# Altium PCB MIN_MOW_Moway_V3 PCB.PcbDoc (part 1 of 2) (continued)
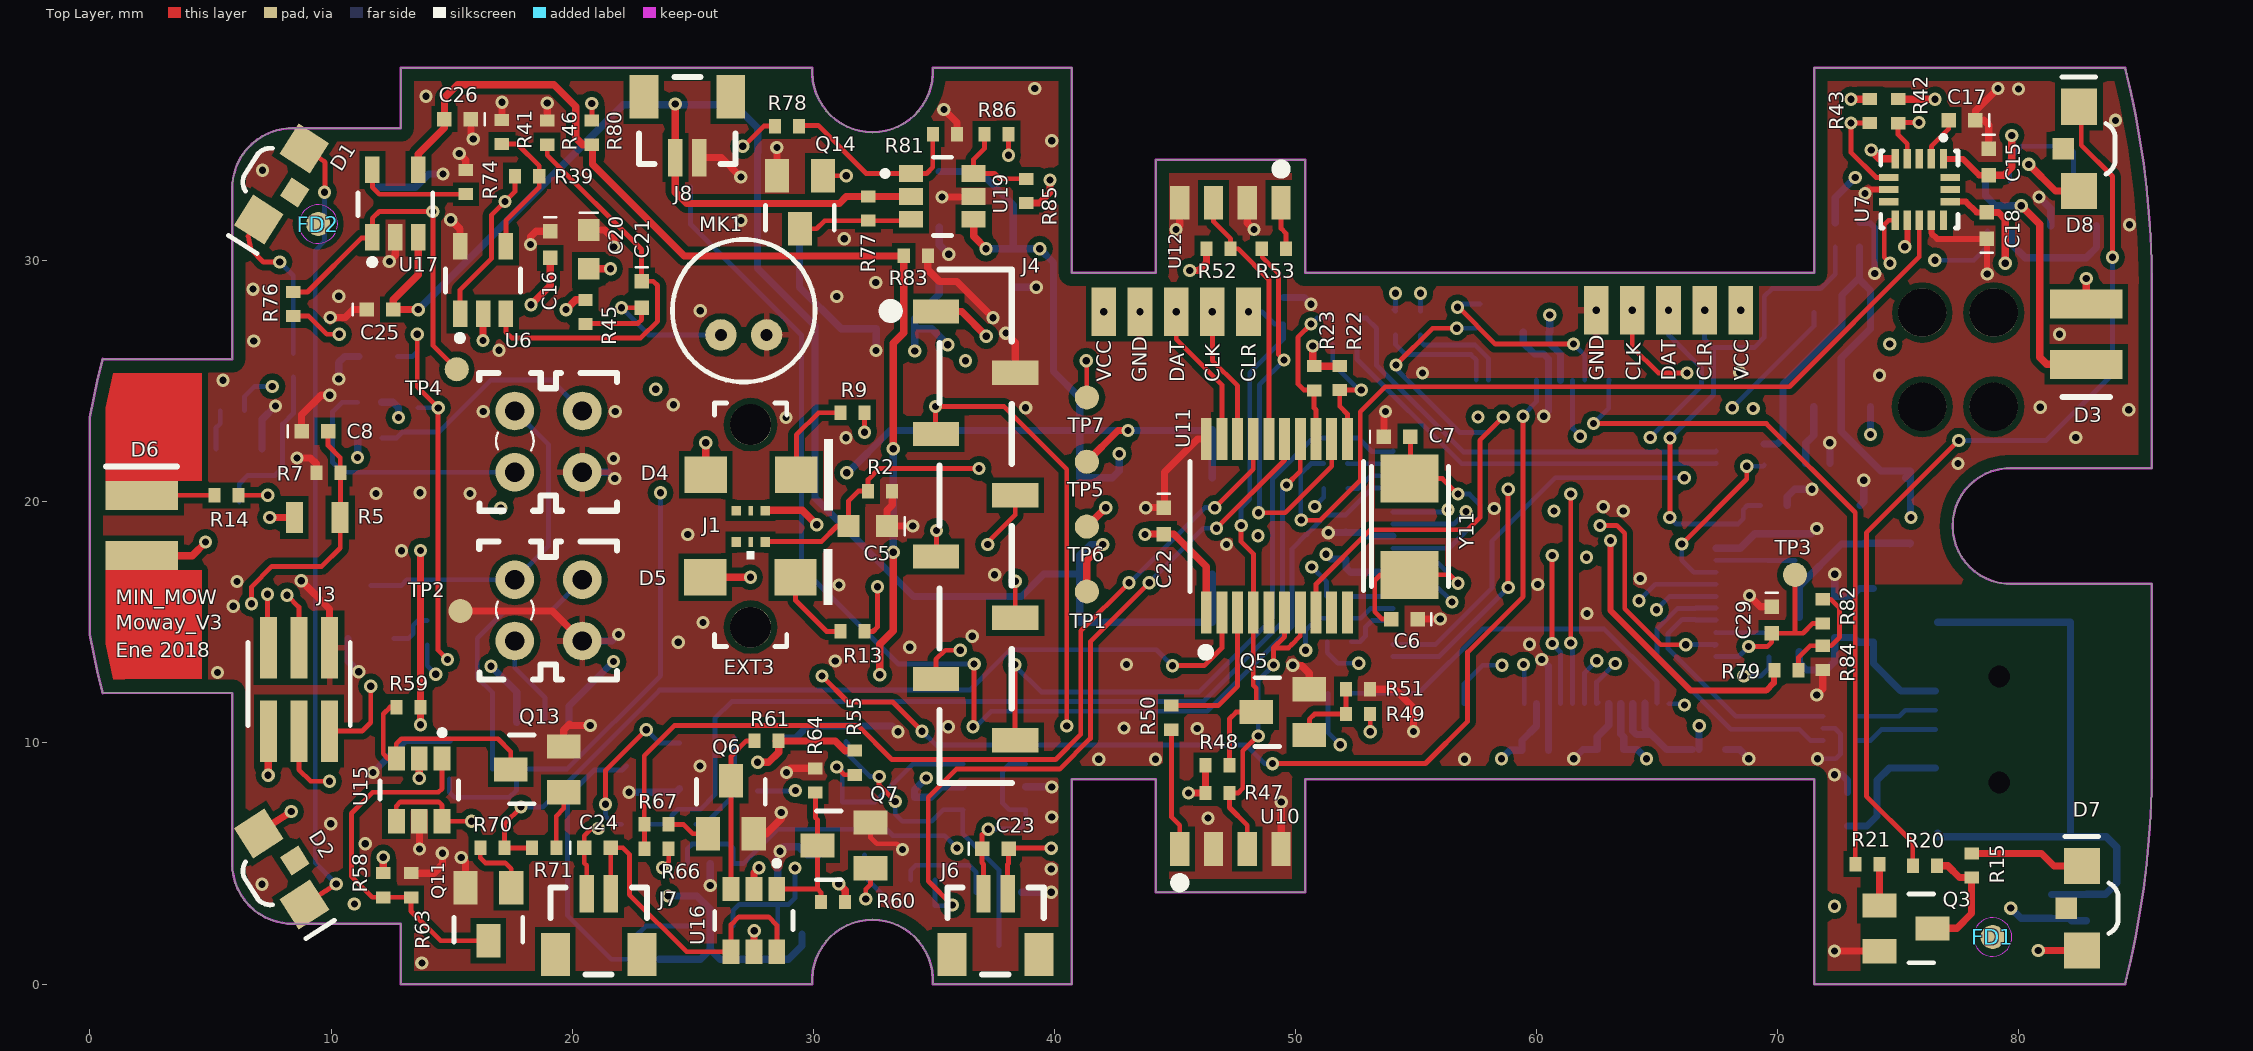
[diagram p0: Top Layer view]
## Components (designator, comment, footprint, x,y, rotation, side; value= is the part's Value field where it differs from the comment) (continued)
Q8 "BC81740MTF" SOT23_FAIRCHILD 36.755,3.805 r0 bottom value=45V/0.5A
Q9 "BC81740MTF" SOT23_FAIRCHILD 32.155,5.355 r180 bottom value=45V/0.5A
Q10 "BC81740MTF" SOT23_FAIRCHILD 24.455,10.005 r270 bottom value=45V/0.5A
Q11 "BC81740MTF" SOT23_FAIRCHILD 17.475,4 r180 top value=45V/0.5A
Q12 "BC81740MTF" SOT23_FAIRCHILD 26.731,10.206 r0 bottom value=45V/0.5A
Q13 "BC81740MTF" SOT23_FAIRCHILD 19.655,7.955 r90 top value=45V/0.5A
Q14 "BC81740MTF" SOT23_FAIRCHILD 30.399,33.531 r180 top value=45V/0.5A
R1 "R10T10402" R0402 8.43,25.18 r90 bottom value=10Ohm
R2 "R33KT10402" R0402 33.277,20.447 r180 top value=33kOhm
R3 "R560T10402" R0402 6.405,23.777 r180 bottom value=560Ohm
R4 "DNP" R0402 79.63,33.305 r180 bottom value=10Ohm
R5 "NB12K00103KBB" R0805 10.38,19.355 r180 top value=10kOhm
R6 "DNP" R0402 78.705,31.23 r0 bottom value=100Ohm
R7 "R10KT10402" R0402 9.39,21.203 r0 top value=10kOhm
R8 "R15KT10402" R0402 72.393,30.575 r90 bottom value=15kOhm
R9 "R100T10402" R0402 32.125,23.7 r180 top value=100Ohm
R10 "R180T10402" R0402 51.176,22.659 r0 bottom value=180Ohm
R11 "R180T10402" R0402 51.166,21.593 r0 bottom value=180Ohm
R12 "R180T10402" R0402 51.176,20.551 r0 bottom value=180Ohm
R13 "R10T10402" R0402 32.125,14.625 r180 top value=10Ohm
R14 "R10T10402" R0402 6.168,20.275 r180 top value=10Ohm
R15 "R100T10402" R0402 78.048,4.417 r90 top value=100Ohm
R16 "R180T10402" R0402 51.32,14.202 r0 bottom value=180Ohm
R17 "R180T10402" R0402 51.295,15.177 r0 bottom value=180Ohm
R18 "R180T10402" R0402 51.295,16.102 r0 bottom value=180Ohm
R19 "R150T10402" R0402 12.105,24.13 r180 bottom value=150Ohm
R20 "R100T10402" R0402 76.61,4.909 r180 top value=100Ohm
R21 "R560T10402" R0402 73.225,4.975 r0 top value=560Ohm
R22 "R4K7T10402" R0402 51.841,24.638 r90 top value=4.7kOhm
R23 "R4K7T10402" R0402 50.775,24.629 r90 top value=4.7kOhm
R24 "R180T10402" R0402 55.189,27.917 r270 bottom value=180Ohm
R25 "R180T10402" R0402 54.148,27.917 r270 bottom value=180Ohm
R26 "R12KT10402" R0402 12.105,22.655 r180 bottom value=12kOhm
R27 "R1KT10402" R0402 13.605,23.905 r270 bottom value=1kOhm
R28 "R180T10402" R0402 51.55,26.525 r0 bottom value=180Ohm
R29 "R180T10402" R0402 51.55,27.625 r0 bottom value=180Ohm
R30 "R180T10402" R0402 52.359,12.065 r180 bottom value=180Ohm
R31 "R150T10402" R0402 19.875,10.85 r180 bottom value=150Ohm
R32 "R180T10402" R0402 57.475,27.2 r90 bottom value=180Ohm
R33 "R180T10402" R0402 69.65,13.575 r90 bottom value=180Ohm
R34 "R12KT10402" R0402 16.7,10.85 r0 bottom value=12kOhm
R35 "R1KT10402" R0402 17.7,8.925 r180 bottom value=1kOhm
R36 "R100KT10402" R0402 69.45,22.4 r270 bottom value=100kOhm
R37 "R100KT10402" R0402 73.393,31.575 r270 bottom value=100kOhm
R38 "R560T10402" R0402 13.99,15.074 r270 bottom value=560Ohm
R39 "R220KT10402" R0402 18.638,33.509 r180 top value=220kOhm
R40 "CG0603MLC05LE" V0603 72.375,14.375 r90 bottom
R41 "R1KT10402" R0402 17.088,35.839 r270 top value=1kOhm
R42 "R4K7T10402" R0402 75.001,35.706 r90 top value=4.7kOhm
R43 "R4K7T10402" R0402 73.831,35.712 r90 top value=4.7kOhm
R44 "R100KT10402" R0402 81.376,2.72 r90 bottom value=100kOhm
R45 "R4K7T10402" R0402 20.555,27.38 r90 top value=4.7kOhm
R46 "R10KT10402" R0402 18.967,35.814 r270 top value=10kOhm
R47 "R15KT10402" R0402 47.268,7.925 r180 top value=15kOhm
R48 "R10KT10402" R0402 47.268,9.075 r180 top value=10kOhm
R49 "R10KT10402" R0402 53.095,11.202 r180 top value=10kOhm
R50 "R560T10402" R0402 44.843,10.55 r90 top value=560Ohm
R51 "R10KT10402" R0402 53.095,12.227 r180 top value=10kOhm
R52 "R15KT10402" R0402 47.314,30.505 r180 top value=15kOhm
R53 "R560T10402" R0402 49.605,30.505 r180 top value=560Ohm
R54 "R1KT10402" R0402 34.2,6.75 r90 bottom value=1kOhm
R55 "R1KT10402" R0402 31.73,8.68 r90 top value=1kOhm
R56 "R1KT10402" R0402 28.53,2.08 r0 bottom value=1kOhm
R57 "R1KT10402" R0402 22.605,1.03 r0 bottom value=1kOhm
R58 "R1KT10402" R0402 12.168,3.6 r90 top value=1kOhm
R59 "R1KT10402" R0402 12.71,11.488 r0 top value=1kOhm
R60 "R1KT10402" R0402 30.321,3.404 r0 top value=1kOhm
R61 "R1KT10402" R0402 27.566,10.086 r0 top value=1kOhm
R62 "R1MT10402" R0402 28.53,4.305 r270 bottom value=1MOhm
R63 "R1MT10402" R0402 13.318,4.6 r270 top value=1MOhm
R64 "R1MT10402" R0402 30.093,8.95 r270 top value=1MOhm
R65 "R1MT10402" R0402 30.355,10.055 r0 bottom value=1MOhm
R66 "R1KT10402" R0402 23.005,5.605 r0 top value=1kOhm
R67 "R1KT10402" R0402 22.993,6.625 r0 top value=1kOhm
R68 "R1KT10402" R0402 24.13,6.63 r0 bottom value=1kOhm
R69 "R1KT10402" R0402 23.055,6.63 r180 bottom value=1kOhm
R70 "R1KT10402" R0402 17.193,5.65 r180 top value=1kOhm
R71 "R1KT10402" R0402 18.343,5.65 r0 top value=1kOhm
R72 "R1KT10402" R0402 35.045,4.318 r180 bottom value=1kOhm
R73 "R1KT10402" R0402 35.045,3.251 r180 bottom value=1kOhm
R74 "R3K3T10402" R0402 15.589,33.766 r270 top value=3.3kOhm
R75 "R150T10402" R0402 72.171,21.59 r180 bottom value=150Ohm
R76 "R470T10402" R0402 8.43,28.705 r270 top value=470Ohm
R77 "R10KT10402" R0402 32.277,31.664 r90 top value=10kOhm
R78 "R10KT10402" R0402 29.417,35.588 r180 top value=10kOhm
R79 "R10KT10402" R0402 70.87,13.007 r180 top value=10kOhm
R80 "R1KT10402" R0402 20.821,35.814 r270 top value=1kOhm
R81 "R10KT10402" R0402 35.961,35.258 r180 top value=10kOhm
R82 "R1KT10402" R0402 71.873,15.963 r270 top value=1kOhm
R83 "R10KT10402" R0402 34.755,30.205 r180 top value=10kOhm
R84 "R10KT10402" R0402 71.877,13.033 r90 top value=10kOhm
R85 "R100KT10402" R0402 38.83,33.401 r270 top value=100kOhm
R86 "R100T10402" R0402 37.1,35.25 r0 top value=100Ohm
SW1 "MMS228T" MMS228T 41.055,23.005 r0 bottom locked
TP1 "TEST_POINT_1MM" TEST_POINT_1MM#1 41.351,19.281 r90 top
TP2 "TEST_POINT_1MM" TEST_POINT_1MM#2 15.368,15.475 r90 top
TP3 "TEST_POINT_1MM" TEST_POINT_1MM#2 70.727,16.975 r90 top
TP4 "TEST_POINT_1MM" TEST_POINT_1MM#2 15.215,25.502 r90 top
TP5 "TEST_POINT_1MM" TEST_POINT_1MM#1 41.351,24.666 r90 top
TP6 "TEST_POINT_1MM" TEST_POINT_1MM#1 41.351,21.974 r90 top
TP7 "TEST_POINT_1MM" TEST_POINT_1MM#2 41.351,24.333 r90 top
U1 "PIC18F87J50TIPT" TQFP80_MCP 67.446,23.081 r270 bottom locked
U2 "CNY70" CNY70 17.624,23.771 r0 bottom locked
U3 "CNY70" CNY70 17.624,16.771 r0 bottom locked
U5 "CMT1102SMT" CMT1102SMT 24.905,33.055 r180 bottom locked
U6 "MCP6001RTEOT" SOT23-5_MCP 15.355,27.805 r0 top
U7 "MMA8452Q" QFN16-5X3_NXP 76.88,34.23 r180 top locked
U8 "8969B05C00DBT" 8969B05C00DBT_OUPIIN 76.545,12.157 r0 bottom locked
U9 "RCLAMP0502A" SOT666_SEMTECH 71.882,10.109 r90 bottom value=5V
U10 "KRC011" KRC011 45.205,5.605 r0 top locked
U11 "PIC16F687TISS" SSOP20_MCP 46.305,15.413 r0 top locked
U12 "KRC011" KRC011 49.405,32.405 r180 top locked
U13 "FDC6321CD84Z" SUPERSOT6_ONSEMI 36.215,7.231 r90 bottom value="N:25V/0.68A; P:25V/0.46A"
U14 "FDC6321CD84Z" SUPERSOT6_ONSEMI 26.68,2.405 r180 bottom value="N:25V/0.68A; P:25V/0.46A"
U15 "FDC6321CD84Z" SUPERSOT6_ONSEMI 14.609,9.354 r180 top value="N:25V/0.68A; P:25V/0.46A"
U16 "FDC6321CD84Z" SUPERSOT6_ONSEMI 28.49,3.939 r180 top value="N:25V/0.68A; P:25V/0.46A"
U17 "MCP73831T2DCIOT" SOT23-5_MCP 11.719,30.969 r0 top value=4.2V/0.5A
U18 "TC126233VDB" SOT223_MCP 35.23,33.705 r270 bottom value=3.3V/0.5A
U19 "FDC6321CD84Z" SUPERSOT6_ONSEMI 34.055,33.621 r270 top value="N:25V/0.68A; P:25V/0.46A"
Y11 "NX5032GA12MHZLNCD1" NX5032GA_NDK 54.755,20.98 r270 top value=12MHz

## Footprints (in the part's own frame and the unit in brackets; to place one, negate y for a bottom-side part, rotate by r counter-clockwise, add the part's x,y. Pads: shape width x height; smd on the part's side, far side on the other; paste and mask are expansions set on the pad)
8969B05C00DBT_OUPIIN [mm]
  rect 2.3x0.5 smd: 1(0,0) 2(0,0.8) 3(0,1.6) 4(0,2.4) 5(0,3.2)
  rect 2.5x2 smd: 6(0.1,6.05) 7(5.6,6.05) 8(5.6,-2.85) 9(0.1,-2.85)
  round 0.6 hole 0.9 unplated: MH1(2.65,-0.6) MH1(2.65,3.8)
  silkscreen extent 1.77,-3.8 8,7.02, body extent -0.65,-3.35 8.55,6.55, height 4.1
20431X08TDATR_OUPIIN [mm]
  rect 1x1.91 smd paste+0 mask+0.2: 1(0,0) 2(2.54,3.29) 3(5.08,0) 4(7.62,3.29) 5(10.16,0) 6(12.7,3.29) 7(15.24,0) 8(17.78,3.29)
  silkscreen extent -1.75,-2.12 19.55,3.15, body extent -1.52,-0.38 19.3,3.67, height 7.5
22152X03_OUPIIN [mm]
  rect 0.7x2.55 smd mask+0.2: 1(0,0) 2(0,3.45) 3(1.27,0) 4(1.27,3.45) 5(2.54,0) 6(2.54,3.45)
  silkscreen extent -0.85,0.23 3.4,3.68, body extent -0.63,-1.02 3.18,4.47, height 4.5
5151049F [mm]
  round 2 hole 2 unplated: 0(0,0) 0(0,2.97)
  silkscreen extent -1.78,-8.64 1.78,8.13, body extent -1.78,-8.63 1.78,8.13, height 5.27
APDS9005020 [mm]
  rect 0.4x0.4 smd: 1(0,0) 3(1.2,0) 4(1.2,1.3) 6(0,1.3)
  rect 0.2x0.4 smd: 2(0.6,0) 5(0.6,1.3)
  silkscreen extent 0.45,1.67 0.77,2.02, body extent -0.15,-0.15 1.35,1.45, height 0.54
BM02BSRSSTB_JST [mm]
  rect 1.2x1.8 smd: 0(-1.3,2.525) 0(2.3,2.525)
  rect 0.6x1.55 smd: 1(0,0) 2(1,0)
  silkscreen extent -1.5,-0.26 2.5,3.35, body extent -1.5,-0.26 2.5,3.34, height 6.25
C0402 [mm]
  rect 0.6x0.6 smd: 1(0,0) 2(1.1,0)
  silkscreen extent -0.58,-0.25 -0.58,0.25, body extent -0.18,-0.25 1.28,0.25, height 0.51
C0603 [mm]
  rect 0.9x0.9 smd: 1(0,0) 2(1.6,0)
  silkscreen extent -0.72,-0.38 -0.72,0.38, body extent -0.43,-0.4 2.03,0.4, height 0.8
CMC5042PFAC [mm]
  round 1.3 hole 0.5: 1(0,0) 2(0,1.9)
  silkscreen extent -1.96,-2.01 3.96,3.91, body extent -2,-2.05 4,3.95, height 5.2
CMT1102SMT [mm]
  rect 3x3 smd: 1(0,0) 2(13,0)
  silkscreen extent -1,-4.5 14,4.5, body extent -1,-4.5 14,4.5, height 1.7
CNY70 [mil]
  round 63 hole 31.5: 1(0,0) 2(0,100) 3(110.24,100) 4(110.24,0)
  silkscreen extent -102,-108 409,208, body extent -83,-88 193,188, height 236
F1206 [mm]
  rect 1x1.7 smd: 1(-1.5,0) 2(1.5,0)
  silkscreen extent -0.5,-0.8 0.5,0.8, body extent -1.6,-0.83 1.6,0.83, height 0.56
FIDUCIAL [mm]
  round 1 smd mask+0.3: 0(0,0)
  Top Layer keep-out circle w0.02: c0,0 r0.8
KPA3010 [mm]
  rect 1.5x1.5 smd: 1(0,0) 2(3.5,0)
  rect 0.9x0.9 smd: 3(1.75,-0.65)
  silkscreen extent -1.23,-0.7 2.8,1.5, body extent 0.25,-0.5 3.25,1.5, height 1
KPA3010F3C_MOWAY [mm]
  rect 1.2x3 smd mask+0.2: 1(0,0) 2(2.5,0)
  silkscreen extent -1.35,-0.97 -1.35,0.98
KRC011 [mm]
  rect 0.8x1.4 smd: 1(0,0) 2(1.4,0) 3(2.8,0) 4(4.2,0)
  silkscreen extent -0.2,-1.6 0.2,-1.2, body extent -0.95,-1.78 5.15,0.12, height 2.75
L0603 [mm]
  rect 0.6x0.8 smd: 1(0,0) 2(1.4,0)
  body extent -0.1,-0.4 1.5,0.4, height 1
LED0805 [mm]
  rect 1.25x1.1 smd: 1(0,0) 2(2.35,0)
  silkscreen extent -1.34,-1.18 3.63,1.14, body extent 0.21,-0.62 2.23,0.63, height 1.1
LED1206 [mm]
  rect 1.75x1.5 smd: 1(0,0) 2(3.75,0)
  silkscreen extent 4.9,-1.15 5.28,1.17, body extent 0.27,-0.8 3.48,0.8, height 0.72
LED1206G [mm]
  rect 1.75x1.5 smd: 1(0,0) 2(3.75,0)
  silkscreen extent 4.9,-1.48 5.28,1.48, body extent 0.27,-0.78 3.48,0.82, height 1.11
LWA6SG [mm]
  rect 1.2x3 smd: 1(0,0) 2(2.5,0)
  Top Layer region: -3.65,-2.5 -0.6,-2.5 -0.6,1.5 -3.65,1.5
  Top Layer region: 3.1,-2.5 6.15,-2.5 6.15,1.5 3.1,1.5
  Top Layer region: -5.125,-2.5 -3.65,-2.5 -3.65,0.7 -5.125,0.7
  Top Layer region: 6.15,-2.5 7.575,-2.5 7.575,0.7 6.15,0.7
  Top Layer region: -5.125,1.175 -3.65,1.5 -3.65,0.7
  Top Layer region: -3.65,1.5 -3.65,0.7 -5.125,0.7 -5.125,1.175
  Top Layer region: 6.138,1.5 6.138,0.7 7.575,0.7 7.575,1.183
  silkscreen extent 3.7,-1.45 3.7,1.48, body extent -0.75,-1.56 3.25,2.21, height 4.03
MMS228T [mm]
  rect 2.5x1.2 smd: 1(0,0) 2(0,2) 3(0,6) 4(0,8) 5(5.5,0) 6(5.5,2) 7(5.5,6) 8(5.5,8)
  silkscreen extent -2.38,-2.5 4.55,10.5, body extent 0.95,-2.5 4.55,10.5, height 5.5
NX5032GA_NDK [mm]
  rect 2x2.4 smd: 1(0.015,-0.015) 2(4.015,-0.015)
  silkscreen extent -0.5,-1.6 4.5,1.6, body extent -0.48,-1.6 4.5,1.6, height 1.3
PAD_5PIN_TH_2X1MM_1.5MM_PITCH [mm]
  rect 1.019x2 smd far side: 1(0,0) 2(1.5,0) 3(3,0) 4(4.5,0) 5(6,0)
  round 0.7 hole 0.3: 1(0,0) 2(1.5,0) 3(3,0) 4(4.5,0) 5(6,0)
  rect 1.019x2 smd: 1(0,0) 2(1.5,0) 3(3,0) 4(4.5,0) 5(6,0)
PIPE44_MR [mm]
  round 1.699 hole 1.699 unplated: 1(0,0) 2(0,8.4)
  silkscreen extent -1.5,-0.8 1.5,9.3
QFN16-5X3_NXP [mm]
  rect 0.305x0.813 smd: 1(0,0) 2(0.5,0) 3(1,0) 4(1.5,0) 5(2,0) 9(2,2.55) 10(1.5,2.55) 11(1,2.55) 12(0.5,2.55) 13(0,2.55)
  rect 0.813x0.305 smd: 6(2.275,0.775) 7(2.275,1.275) 8(2.275,1.775) 14(-0.275,1.775) 15(-0.275,1.275) 16(-0.275,0.775)
  silkscreen extent -0.6,-0.97 2.6,2.87, body extent -0.51,-0.23 2.51,2.79, height 0.85
R0402 [mm]
  rect 0.5x0.6 smd: 1(0,0) 2(1,0)
  body extent -0.07,-0.27 1.08,0.28, height 0.41
R0805 [mm]
  rect 0.7x1.3 smd: 1(0,0) 2(1.9,0)
  body extent -0.2,-0.67 2.1,0.68, height 0.76
SOD323_ONSEMI [mm]
  rect 0.63x0.83 smd: 1(0,0) 2(2.23,0)
  silkscreen extent 0.57,-0.35 3.01,0.35, body extent -0.23,-0.62 2.47,0.63, height 1.1
SOT23-5_MCP [mm]
  rect 0.6x1.1 smd: 1(0,0) 2(0.95,0) 3(1.9,0) 4(1.9,2.8) 5(0,2.8)
  silkscreen extent -0.6,-1.13 2.5,1.85, body extent -0.5,0 2.4,2.8, height 1.45
SOT23_FAIRCHILD [mm]
  rect 1x1.4 smd: 1(0,0) 2(1.9,0) 3(0.95,2.2)
  silkscreen extent -0.48,1.22 2.37,2.25, body extent -0.5,-0.11 2.4,2.31, height 1
SOT223_MCP [mm]
  rect 0.95x1.9 smd: 1(0,0) 2(2.3,0) 3(4.6,0)
  rect 3.25x1.9 smd: 4(2.3,5.8)
  silkscreen extent -1.05,-1.78 5.65,4.62, body extent -0.95,-0.6 5.55,6.4, height 1.64
SOT666_SEMTECH [mm]
  rect 0.3x0.85 smd: 1(0,0) 2(0.5,0) 3(1,0) 4(1,1.45) 5(0.5,1.45) 6(0,1.45)
  silkscreen extent -0.38,-0.97 1.37,1.53, body extent -0.3,-0.08 1.3,1.53, height 0.6
SSOP20_MCP [mm]
  rect 0.45x1.75 smd: 1(0,0) 2(0.65,0) 3(1.3,0) 4(1.95,0) 5(2.6,0) 6(3.25,0) 7(3.9,0) 8(4.55,0) 9(5.2,0) 10(5.85,0) 11(5.85,7.2) 12(5.2,7.2) 13(4.55,7.2) 14(3.9,7.2) 15(3.25,7.2) 16(2.6,7.2) 17(1.95,7.2) 18(1.3,7.2) 19(0.65,7.2) 20(0,7.2)
  silkscreen extent -0.67,-1.8 6.53,6.27, body extent -0.67,-0.3 6.53,7.5, height 1.9
SUPERSOT6_ONSEMI [mm]
  rect 0.7x1 smd: 1(0,0) 2(0.95,0) 3(1.9,0) 4(1.9,2.6) 5(0.95,2.6) 6(0,2.6)
  silkscreen extent -0.67,-1.17 2.58,1.68, body extent -0.55,-0.23 2.45,2.77, height 1.05
TEST_POINT_1MM#1 [mm]
  round 1 smd paste-1: 1(-3,0)
TEST_POINT_1MM#2 [mm]
  round 1 smd paste-1: 1(0,0)
TQFP80_MCP [mm]
  rect 0.3x1.5 smd paste+0: 1(0,0) 2(0.5,0) 3(1,0) 4(1.5,0) 5(2,0) 6(2.5,0) 7(3,0) 8(3.5,0) 9(4,0) 10(4.5,0) 11(5,0) 12(5.5,0) 13(6,0) 14(6.5,0) 15(7,0) 16(7.5,0) 17(8,0) 18(8.5,0) 19(9,0) 20(9.5,0) 41(9.5,13.4) 42(9,13.4) 43(8.5,13.4) 44(8,13.4) 45(7.5,13.4) 46(7,13.4) 47(6.5,13.4) 48(6,13.4) 49(5.5,13.4) 50(5,13.4) 51(4.5,13.4) 52(4,13.4) 53(3.5,13.4) 54(3,13.4) 55(2.5,13.4) 56(2,13.4) 57(1.5,13.4) 58(1,13.4) 59(0.5,13.4) 60(0,13.4)
  rect 1.5x0.3 smd paste+0: 21(11.45,1.95) 22(11.45,2.45) 23(11.45,2.95) 24(11.45,3.45) 25(11.45,3.95) 26(11.45,4.45) 27(11.45,4.95) 28(11.45,5.45) 29(11.45,5.95) 30(11.45,6.45) 31(11.45,6.95) 32(11.45,7.45) 33(11.45,7.95) 34(11.45,8.45) 35(11.45,8.95) 36(11.45,9.45) 37(11.45,9.95) 38(11.45,10.45) 39(11.45,10.95) 40(11.45,11.45) 61(-1.95,11.45) 62(-1.95,10.95) 63(-1.95,10.45) 64(-1.95,9.95) 65(-1.95,9.45) 66(-1.95,8.95) 67(-1.95,8.45) 68(-1.95,7.95) 69(-1.95,7.45) 70(-1.95,6.95) 71(-1.95,6.45) 72(-1.95,5.95) 73(-1.95,5.45) 74(-1.95,4.95) 75(-1.95,4.45) 76(-1.95,3.95) 77(-1.95,3.45) 78(-1.95,2.95) 79(-1.95,2.45) 80(-1.95,1.95)
  silkscreen extent -2.6,-1.58 12.1,14.02, body extent -2.25,-0.3 11.75,13.7, height 1.2
V0603 [mm]
  rect 0.9x1 smd: 1(0,0) 2(1.7,0)
  body extent 0,-0.48 1.7,0.48, height 0.6

## Part data
C1 C2 C3 C4 C10 C15 C17 C22 C29: "CAPACITOR SMD 0402, 100nF, 10V, X7R", Dielectric=X7R, Voltage=10, Part Number=C100NV10X7R0402, Type=Passive/Capacitor
C5 C14 C20 C27 C28: "CAPACITOR SMD 0603, 10uF, 10V, X5R", Dielectric=X5R, Voltage=10, Part Number=C10UV10X5R0603, Type=Passive/Capacitor
C6 C7: "CAPACITOR SMD 0402, 18pF, 10V, C0G", Dielectric=C0G, Part Number=C18PV10C0G0402, Type=Passive/Capacitor
C8 C12 C16 C19 C21 C30 C31: "CAPACITOR SMD 0402, 1uF, 10V, X5R", Dielectric=X5R, Part Number=C1UV10X5R0402, Type=Passive/Capacitor
C9 C18 C25 C26: "CAPACITOR SMD 0402, 4.7uF, 10V, X5R", Dielectric=X5R, Voltage=10, Part Number=C4U7V10X5R0402, Type=Passive/Capacitor
C11 C13: "CAPACITOR SMD 0603, 33pF, 10V, C0G", Dielectric=C0G, Part Number=C33PV10C0G0603, Type=Passive/Capacitor
C23 C24: "CAPACITOR SMD 0402, 1nF, 10V, X7R", Dielectric=X7R, Part Number=C1NV10X7R0402, Type=Passive/Capacitor
D1 D2: "IR-LED, SMD, 3mm x 2mm x 1 mm, 1,2V, 20mA, 940nm", Manufacturer=KINGBRIGHT, Manufacturer Part Number=KPA-3010F3C, Supplier Part Number 1=2426200, Datasheet MPN 1=http://datasheet.octopart.com/KPA-3010F3C-Kingbright-datasheet-83958251.pdf, Part Number=KPA3010F3C, Supplier 1=Farnell, Supplier 2=RS, Supplier Part Number 2=862-4705, Type=LED
D3: library part KPA3010F3C_MOWAY, "IR-LED, SMD, 3mm x 2mm x 1 mm, 1,2V, 20mA, 940nm", Manufacturer=KINGBRIGHT, Manufacturer Part Number=KPA-3010F3C, Supplier Part Number 1=2426200, Datasheet MPN 1=http://datasheet.octopart.com/KPA-3010F3C-Kingbright-datasheet-83958251.pdf, Part Number=KPA3010F3C_MOWAY, Supplier 1=Farnell, Supplier 2=RS, Supplier Part Number 2=862-4705, Type=LED
D4: "LED, Low Power, Green, SMD, 1.6mm x 2mm, 20mA, 2.2V, 568nm", Manufacturer=KINGBRIGHT, Manufacturer Part Number=KPC-3216SGC, Supplier Part Number 1=1318254, Datasheet MPN 1=http://datasheet.octopart.com/KPC-3216SGC-Kingbright-datasheet-33027990.pdf, Part Number=KPC3216SGC, Supplier 1=Farnell, Supplier 2=RS, Supplier Part Number 2=466-3908, Type=LED
D5: "LED, Low Power, Red, SMD, 20 mA, 1.9 V, 628 nm", Manufacturer=KINGBRIGHT, Manufacturer Part Number=KP-3216SURC, Supplier Part Number 1=8530017, Datasheet MPN 1=http://datasheet.octopart.com/KP-3216SURC-Kingbright-datasheet-17932066.pdf, Part Number=KP3216SURC, Supplier 1=Farnell, Supplier 2=RS, Supplier Part Number 2=466-3920, Type=LED
D6: "LED Osram Opto, White, 4.5 lm, 5600K, 3.2 V, 120°, SIDELED serie", Manufacturer=OSRAM, Manufacturer Part Number="LW A6SG-V2BA-JKPL", Supplier Part Number 1=720-LWA6SGV2BAJKPLZI, Datasheet MPN 1=http://datasheet.octopart.com/Q65110A8994-Osram-datasheet-13697590.pdf, Part Number=LWA6SGV2BAJKPL, Supplier 1=Mouser, Supplier 2=RS, Supplier Part Number 2=688-9578, Type=LED
D7 D8: "LED, Right Angle, Red, SMD, 20mA, 2V, 617nm", Manufacturer=KINGBRIGHT, Manufacturer Part Number=KPA-3010EC, Supplier Part Number 1=8530327, Datasheet MPN 1=http://datasheet.octopart.com/KPA-3010EC-Kingbright-datasheet-62316490.pdf, Part Number=KPA3010EC, Supplier 1=Farnell, Supplier 2=RS, Supplier Part Number 2=862-4695, Type=LED
D9: "LED, Low Power, Red, SMD, 20 mA, 1.95 V, 630 nm", Manufacturer=KINGBRIGHT, Manufacturer Part Number=KPHCM-2012SURCK, Supplier Part Number 1=1686067, Datasheet MPN 1=http://datasheet.octopart.com/KPHCM-2012SURCK-Kingbright-datasheet-15687796.pdf, Part Number=KPHCM2012SURCK, Supplier 1=Farnell, Supplier 2=RS, Supplier Part Number 2=861-0119, Type=LED
D10: "LED, Low Power, Green, SMD, 20 mA, 2.1 V, 570 nm", Manufacturer=KINGBRIGHT, Manufacturer Part Number=KPHCM-2012CGCK, Supplier Part Number 1=1686075, Datasheet MPN 1=http://datasheet.octopart.com/KPHCM-2012CGCK-Kingbright-datasheet-14708382.pdf, Part Number=KPHCM2012CGCK, Supplier 1=Farnell, Supplier 2=RS, Supplier Part Number 2=861-0107, Type=LED
D11: "TVS Diode, SD05T1 Series, Unidirectional, 5 V, 14.5 V, SOD-323, 2 Pins", Manufacturer="ON SEMICONDUCTOR", Supplier Part Number 1=2463641, Voltage=5, Datasheet MPN 1=http://datasheet.octopart.com/SD05T1G-ON-Semiconductor-datasheet-163639.pdf, Manufacturer Part Number=SD05T1G, Part Number=SD05T1G, Revisado Ing=OK, Supplier 1=Farnell, Supplier 2=Mouser, Supplier Part Number 2=863-SD05T1G, Type=Diode
EXT2 EXT4: "LIGHT PIPE", Manufacturer=DIALIGHT, Supplier Part Number 1=350-2175-ND, Datasheet MPN 1=http://datasheet.octopart.com/515-1049F-Dialight-datasheet-8325321.pdf, Manufacturer Part Number=5151049F, Part Number=5151049F, Supplier 1=Digikey, Supplier 2=Mouser, Supplier Part Number 2=645-515-1049F, Type=LED
EXT3: "Light Pipe", Manufacturer=MINIROBOTS, Manufacturer Part Number=PIPE44, Part Number=PIPE44, Type=LED
F1: "PPTC Resettable Fuse, SMD, MF-NSMF Series, 750 mA, 1.5 A, 6 V, -40 °C", Current=0.75, Manufacturer=BOURNS, Manufacturer Part Number=MF-NSMF075-2, Supplier Part Number 1=MF-NSMF075-2CT-ND, Datasheet MPN 1=http://datasheet.octopart.com/MF-NSMF075-2-Bourns-datasheet-62292265.pdf, Part Number=MFNSMF0752, Supplier 1=Digikey, Supplier 2=Mouser, Supplier Part Number 2=652-MF-NSMF075-2, Type=Fuse
J1: "Ambient Light Photosensor, APDS-9005, Miniature, SMD, chipLED, Analogue, 1.8 V to 5.5 V", Manufacturer=AVAGO, Manufacturer Part Number=APDS-9005-020, Supplier Part Number 1=630-APDS-9005-020, Datasheet MPN 1=http://datasheet.octopart.com/APDS-9005-020-Avago-datasheet-26352816.pdf, Part Number=APDS9005020, Supplier 1=Mouser, Supplier 2=Digikey, Supplier Part Number 2=516-1717-1-ND, Type=Interface
J3: "Board to Board connector, SMD, 6 pin, 1.27 pitch", Manufacturer=OUPIIN, Manufacturer Part Number=2215-2X03G00DN-3U, Supplier Part Number 1=2215-2*03G00DN/3U, Part Number=2215203G00DN3U, Supplier 1=MATRIX, Type=Connector
J4: "Expansion Connector, 8 pin, SMD Female", Manufacturer=OUPIIN, Manufacturer Part Number=2043-1X-08-T-D-A-TR, Datasheet MPN 1=http://oupiin.com/technology_ii.html?tit=2043-1&gID=26, Part Number=20431X08TDATR, Supplier 1=MATRIX, Supplier Part Number 1=2043-1X-08-T-D-A-TR, Type=Connector
J6 J7 J8: "Wire-To-Board Connector, Top Entry, 1 mm, 2 Contacts, Header, SR Series, Surface Mount, 1 Rows", Manufacturer=JST, Manufacturer Part Number=BM02B-SRSS-TB, Supplier Part Number 1=455-1788-1-ND, Datasheet MPN 1=http://datasheet.octopart.com/BM02B-SRSS-TB%28LF%29%28SN%29-JST-datasheet-5322443.pdf, Part Number=BM02BSRSSTB, Supplier 1=Digikey, Supplier 2=Farnell, Supplier Part Number 2=1679127, Type=Connector
L1 L2: "INDUCTOR SMD 120 Ohm / 100MHz, 2A, 0603", Current=2, Manufacturer=MURATA, Supplier Part Number 1=490-1037-1-ND, Datasheet MPN 1=http://datasheet.octopart.com/BLM18PG121SN1D-Murata-datasheet-78375072.pdf, Manufacturer Part Number=BLM18PG121SN1D, Part Number=BLM18PG121SN1D, Revisado Ing=OK, Supplier 1=Digikey, Supplier 2=Mouser, Supplier Part Number 2=81-BLM18PG121SN1D, Type=Passive/Inductor
MK1: "Electret Condenser Microphone", Manufacturer=CUI, Manufacturer Part Number=CMC-5042PF-AC, Supplier Part Number 1=102-1724-ND, Datasheet MPN 1=http://datasheet.octopart.com/CMC-5042PF-AC-CUI-datasheet-15695903.pdf, Part Number=CMC5042PFAC, Supplier 1=Digikey, Supplier 2=Mouser, Supplier Part Number 2=490-CMC-5042PF-AC, Type=Interface
Q1 Q3 Q4 Q5 Q6 Q7 Q8 Q9 Q10 Q11 Q12 Q13 Q14: "Bipolar (BJT) Single Transistor, NPN, 45 V, 170 MHz, 300 mW, 500 mA, 250 hFE", Current=0.5, Manufacturer=FAIRCHILD, Supplier Part Number 1=1798081, Datasheet MPN 1=http://datasheet.octopart.com/BC81740MTF-Fairchild-datasheet-56423.pdf, Manufacturer Part Number=BC81740MTF, Part Number=BC81740MTF, Supplier 1=Farnell, Supplier 2=Mouser, Supplier Part Number 2=512-BC81740MTF, Type=Transistor/BJT
Q2: library part BC81740MTF, "Bipolar (BJT) Single Transistor, NPN, 45 V, 170 MHz, 300 mW, 500 mA, 250 hFE", Current=0.5, Manufacturer=FAIRCHILD, Supplier Part Number 1=1798081, Datasheet MPN 1=http://datasheet.octopart.com/BC81740MTF-Fairchild-datasheet-56423.pdf, Manufacturer Part Number=BC81740MTF, Part Number=BC81740MTF, Supplier 1=Farnell, Supplier 2=Mouser, Supplier Part Number 2=512-BC81740MTF, Type=Transistor/BJT
R1 R13 R14: "RESISTOR SMD 0402, 10Ohm, 1%", Tolerance=1, Part Number=R10T10402, Type=Passive/Resistor
R2: "RESISTOR SMD 0402, 33kOhm, 1%", Tolerance=1, Part Number=R33KT10402, Type=Passive/Resistor
R3 R21 R38 R50 R53: "RESISTOR SMD 0402, 560Ohm, 1%", Tolerance=1, Part Number=R560T10402, Type=Passive/Resistor
R4: library part R10T10402, "RESISTOR SMD 0402, 10Ohm, 1%", Tolerance=1, Part Number=R10T10402, Type=Passive/Resistor
R5: "Thermistor, NTC, 10 kohm, NB12 Series, 3630 K, SMD, 0805", Manufacturer=AVX, Supplier Part Number 1=1672287, Datasheet MPN 1=http://datasheet.octopart.com/NB12K00103KBB-AVX-datasheet-120348.pdf, Manufacturer Part Number=NB12K00103KBB, Part Number=NB12K00103KBB, Supplier 1=Farnell, Supplier 2=Mouser, Supplier Part Number 2=581-NB12K00103KBB, Type=Passive/NTC
R6: library part R100T10402, "RESISTOR SMD 0402, 100Ohm, 1%", Tolerance=1, Part Number=R100T10402, Type=Passive/Resistor
R7 R46 R48 R49 R51 R77 R78 R79 R81 R83 R84: "RESISTOR SMD 0402, 10kOhm, 1%", Manufacturer 2=VISHAY, Manufacturer Part Number 2=CRCW040210K0FKED, Supplier 1 -MPN 2=Digikey, Supplier 2 - MPN 2=Mouser, Supplier Part Number 1 - MPN 2=541-10.0KLDKR-ND, Tolerance=1, Datasheet MPN 2=http://datasheet.octopart.com/CRCW040210K0FKED.-Vishay-datasheet-78776209.pdf, Part Number=R10KT10402, Supplier Part Number 2 - MPN 2=CRCW040210K0FKED, Type=Passive/Resistor
R8 R47 R52: "RESISTOR SMD 0402, 15kOhm, 1%", Tolerance=1, Part Number=R15KT10402, Type=Passive/Resistor
R9 R15 R20 R86: "RESISTOR SMD 0402, 100Ohm, 1%", Tolerance=1, Part Number=R100T10402, Type=Passive/Resistor
R10 R11 R12 R16 R17 R18 R24 R25 R28 R29 R30 R32 R33: "RESISTOR SMD 0402, 180Ohm, 1%", Tolerance=1, Part Number=R180T10402, Type=Passive/Resistor
R19 R31 R75: "RESISTOR SMD 0402, 150Ohm, 1%", Tolerance=1, Part Number=R150T10402, Type=Passive/Resistor
R22 R23 R42 R43 R45: "RESISTOR SMD 0402, 4.7kOhm, 1%", Tolerance=1, Part Number=R4K7T10402, Type=Passive/Resistor
R26 R34: "RESISTOR SMD 0402, 12kOhm, 1%", Tolerance=1, Part Number=R12KT10402, Type=Passive/Resistor
R27 R35 R41 R54 R55 R56 R57 R58 R59 R60 R61 R66 R67 R68 R69 R70 R71 R72 R73 R80 R82: "RESISTOR SMD 0402, 1kOhm, 1%", Tolerance=1, Part Number=R1KT10402, Type=Passive/Resistor
R36: "RESISTOR SMD 0402, 100kOhm, 1%", Tolerance=1, Part Number=R100KT10402, Type=Passive/Resistor
R37 R44 R85: "RESISTOR SMD 0402, 100kOhm, 1%", Manufacturer 2=VISHAY, Manufacturer Part Number 2=CRCW0402100KFKED, Supplier 1 -MPN 2=Digikey, Supplier 2 - MPN 2=Mouser, Supplier Part Number 1 - MPN 2=541-100KLCT-ND, Tolerance=1, Datasheet MPN 2=http://datasheet.octopart.com/CRCW0402100KFKED.-Vishay-datasheet-78776209.pdf, Part Number=R100KT10402, Supplier Part Number 2 - MPN 2=CRCW0402100KFKED, Type=Passive/Resistor
R39: "RESISTOR SMD 0402, 220kOhm, 1%", Tolerance=1, Part Number=R220KT10402, Type=Passive/Resistor
R40: "Varistor SMD", Manufacturer=BOURNS, Manufacturer Part Number=CG0603MLC-05LE, Supplier Part Number 1=CG0603MLC-05LECT-ND, Datasheet MPN 1=http://datasheet.octopart.com/CG0603MLC-05LE-Bourns-datasheet-80871568.pdf, Part Number=CG0603MLC05LE, Supplier 1=Digikey, Supplier 2=Mouser, Supplier Part Number 2=652-CG0603MLC-05RE, Type=Varistor
R62 R63 R64 R65: "RESISTOR SMD 0402, 1MOhm, 1%", Tolerance=1, Part Number=R1MT10402, Type=Passive/Resistor
R74: "RESISTOR SMD 0402, 3.3kOhm, 1%", Tolerance=1, Part Number=R3K3T10402, Type=Passive/Resistor
R76: "RESISTOR SMD 0402, 470Ohm, 1%", Tolerance=1, Part Number=R470T10402, Type=Passive/Resistor
SW1: "Slide Switch, DPDT, On-On, SMD, 300 mA", Manufacturer=KNITTER, Manufacturer Part Number="MMS 228-T", Supplier Part Number 1=8546819, Datasheet MPN 1=http://datasheet.octopart.com/MMS-228-T-Knitter-Switch-datasheet-20803805.pdf, Part Number=MMS228T, Supplier 1=Farnell, Supplier 2=RS, Supplier Part Number 2=711-8329, Type=Switch
U1: "80-pin 1-Mbit FLASH USB MCU", Manufacturer=MICROCHIP, Manufacturer Part Number=PIC18F87J50T-I/PT, Supplier Part Number 1=PIC18F87J50-I/PT-ND, Datasheet MPN 1=http://datasheet.octopart.com/PIC18F87J50T-I/PT-Microchip-datasheet-8730512.pdf, Part Number=PIC18F87J50TIPT, Supplier 1=Digikey, Supplier 2=Mouser, Supplier Part Number 2=579-PIC18F87J50-I/PT, Type=MCU
U5: "PIEZO BUZZER TRANSDUCER, 73dB a 5V  10cm", Manufacturer=CUI, Manufacturer Part Number=CMT-1102-SMT, Supplier Part Number 1=102-1264-1-ND, Datasheet MPN 1=http://datasheet.octopart.com/CMT-1102-SMT-TR-CUI-datasheet-93080523.pdf, Part Number=CMT1102SMT, Supplier 1=Digikey, Supplier 2=Mouser, Supplier Part Number 2=490-CMT-1102-SMT-TR, Type=Interface
U6: "1MHz Low-Power Op Amp", Manufacturer=MICROCHIP, Manufacturer Part Number=MCP6001RT-E/OT, Supplier Part Number 1=MCP6001RT-E/OTCT-ND, Datasheet MPN 1=http://datasheet.octopart.com/MCP6001RT-I/OT-Microchip-datasheet-8823409.pdf, Part Number=MCP6001RTEOT, Supplier 1=Digikey, Supplier 2=Mouser, Supplier Part Number 2=579-MCP6001RT-E/OT, Type="Operational Amplifier"
U7: "MEMS Accelerometer, 3-Axis, Digital, X, Y, Z, ± 2g, ± 4g, ± 8g, 1.95 V, 3.6 V, QFN", Manufacturer=NXP, Supplier Part Number 1=841-MMA8452Q, Datasheet MPN 1=http://datasheet.octopart.com/MMA8452QT-Freescale-Semiconductor-datasheet-10031006.pdf, Manufacturer Part Number=MMA8452Q, Part Number=MMA8452Q, Supplier 1=Mouser, Supplier 2=Farnell, Supplier Part Number 2=1842360, Type=Accelerometer
U8: "USB Connector, Mini USB Type B, 5 Ways, SMD", Manufacturer=OUPIIN, Manufacturer Part Number=8969-B05C00DBT, Comments2=TBD, Part Number=8969B05C00DBT, Supplier 1=MATRIX, Supplier Part Number 1=8969-B05C00DBT, Type=Connector
U9: "TVS Diode, RailClamp Series, 5 V, 18 V, SOT-666, 6 Pins", Manufacturer=SEMTECH, Supplier Part Number 1=RCLAMP0502ACT-ND, Voltage=5, Datasheet MPN 1=http://datasheet.octopart.com/RCLAMP0502A.TCT-Semtech-datasheet-10675609.pdf, Manufacturer Part Number=RCLAMP0502A, Part Number=RCLAMP0502A, Supplier 1=Digikey, Supplier 2=Mouser, Supplier Part Number 2=947-RCLAMP0502A.TCT, Type=Diode
U10 U12: "High Sensitivity Photointerrupter", Manufacturer=KINGBRIGHT, Supplier Part Number 1=616-5709, Datasheet MPN 1=http://docs-europe.electrocomponents.com/webdocs/07a5/0900766b807a59d4.pdf, Manufacturer Part Number=KRC011, Part Number=KRC011, Supplier 1=RS, Type=Optoacoplador
U11: "20 PIN FLASH 8-Bit CMOS MCU", Manufacturer=MICROCHIP, Manufacturer Part Number=PIC16F687T-I/SS, Supplier Part Number 1=PIC16F687T-I/SSCT-ND, Datasheet MPN 1=http://datasheet.octopart.com/PIC16F687T-I/SS-Microchip-datasheet-7621703.pdf, Part Number=PIC16F687TISS, Supplier 1=Digikey, Supplier 2=Mouser, Supplier Part Number 2=579-PIC16F687T-I/SS, Type=MCU
U13 U14 U15 U16 U19: "Dual MOSFET, N and P Channel, 460 mA, 25 V, 0.33 ohm, 4.5 V, 800 mV", Current=N:0.68;P:0.46, Manufacturer=FAIRCHILD, Manufacturer Part Number="FDC6321C D84Z", Supplier Part Number 1=9844848, Datasheet MPN 1=http://www.onsemi.com/pub/Collateral/FDC6321C-D.PDF, Part Number=FDC6321CD84Z, Supplier 1=Farnell, Supplier 2=Mouser, Supplier Part Number 2=512-FDC6321C, Type=Transistor/MOSFET
U17: "Battery Charger for 1 Cell of Li-Ion, Li-Pol battery, 6V input, 4.2V / 500mA charge", Current=0.5, Manufacturer=MICROCHIP, Manufacturer Part Number=MCP73831T-2DCI/OT, Supplier Part Number 1=MCP73831T-2DCI/OTCT-ND, Datasheet MPN 1=http://datasheet.octopart.com/MCP73831T-2DCI/OT-Microchip-datasheet-8814540.pdf, Part Number=MCP73831T2DCIOT, Supplier 1=Digikey, Supplier 2=Mouser, Supplier Part Number 2=579-MCP73831T-2DCIOT, Type="Battery Charger/Controller"
U18: "500mA Fixed Output CMOS LDO. 6V Vin, 3.3 Vout, 0.5Aout", Current=0.5, Manufacturer=MICROCHIP, Manufacturer Part Number=TC1262-3.3VDB, Supplier Part Number 1=TC1262-3.3VDB-ND, Datasheet MPN 1=http://datasheet.octopart.com/TC1262-3.3VDB-Microchip-datasheet-22095.pdf, Part Number=TC126233VDB, Supplier 1=Digikey, Supplier 2=Mouser, Supplier Part Number 2=579-TC1262-3.3VDB, Type=LDO
Y11: library part NX5032GA12000000MHZLNCD1, "Crystal, 12MHz, SMD, 5mm x 3.2mm, 8pF, 50ppm", Manufacturer=NDK, Manufacturer Part Number=NX5032GA-12.000000MHZ-LN-CD-1, Supplier Part Number 1=644-1034-1-ND, Datasheet MPN 1=https://media.digikey.com/pdf/Data%20Sheets/NDK%20PDFs/NX5032GA.pdf, Part Number=NX5032GA12000000MHZLNCD1, Supplier 1=Digikey, Type=Crystal/Oscilator
FD1 FD2 FD3 FD4: Part Number=FIDUCIAL, Type=Miscellaneous
J2 J5: Part Number=PAD_5PIN_TH_2X1MM_1.5MM_PITCH, Type=Miscellaneous
TP1 TP2 TP3 TP4 TP5 TP6 TP7: Part Number=TEST_POINT_1MM, Type=Miscellaneous

## Via types
v1: diameter 0.55, hole 0.3, Top Layer to Bottom Layer, tented both sides, 338 vias

## Nets (pads, with @x,y where several pads share a name; then routed paths per layer and width w, separated by ;. In a path a pad name is that pad's centre, name@x,y a point inside that pad or via, vN(x,y) a via of type N, cw(c..) or ccw(c..) an arc to the next point about the centre after c; other vN are vias at no path point)
GND: C1.1 C2.1 C3.1 C4.1 C5.1 C6.1 C7.1 C8.1 C9.1 C10.1 C11.1 C12.1 C13.1 C14.1 C15.1 C16.1 C17.1 C18.1 C20.1 C22.1 C25.1 C26.1 C27.1 C28.1 C29.1 C30.1 C31.1 D11.1 J2.5 J3.6 J4.2 J5.4 J8.2 L2.1 MK1.1 Q1.2 Q2.2 Q3.2 Q4.2 Q5.2 Q6.2 Q7.2 Q8.2 Q9.2 Q10.2 Q11.2 Q12.2 Q13.2 Q14.2 R2.1 R7.1 R37.1 R40.2 R41.1 R46.1 R51.1 R62.1 R63.1 R64.1 R65.1 R74.1 R75.1 R81.1 R83.1 R84.1 TP2.1 U1.11 U1.26 U1.31 U1.51 U1.70 U2.3 U3.3 U5.2 U6.5 U7.5 U7.7 U7.10 U7.12 U9.2 U10.2 U10.4 U11.20 U12.2 U12.4 U13.5 U14.5 U15.5 U16.5 U17.2 U18.2 U18.4 U19.5 | length 154.1
  Top Layer w0.2: Q7.2@32.38,6.705 32.38,6.073 32.634,5.819 33.465,5.819 v1(33.704,5.579)
  Top Layer w0.25: v1(73.628,32.791) 73.628,32.84 73.744,32.955 U7.7@74.605,32.955 ; v1(75.279,30.582) 75.304,30.582 75.38,30.657 U7.10@75.38,31.68 ; U7.12@76.38,31.68 76.38,31.145 76.618,30.907 C18.1@78.684,30.907 78.684,29.459 v1(78.693,29.45)
  Top Layer w0.3: v1(8.593,21.825) 9.143,21.825 9.39,21.579 R7.1@9.39,21.203 ; v1(8.763,16.73) 9.94,15.554 J3.6@9.94,13.946 ; C8.1@8.78,22.93 8.78,23.612 9.593,24.425 v1(9.943,24.425) ; v1(9.968,27.65) 10.593,27.65 10.924,27.98 C25.1@11.48,27.98 ; v1(12.421,29.972) 12.669,30.22 U17.2@12.669,30.969 ; R63.1@13.318,4.6 14.268,4.6 14.618,4.95 v1(14.618,5.425) ; U15.5@13.659,6.754 13.68,6.733 13.668,6.722 v1(13.668,5.6) ; v1(14.968,31.7) 15.355,31.313 U6.5@15.355,30.605 U6.5@15.462,30.498 ; v1(15.318,34.45) 15.589,34.179 R74.1@15.589,33.766 ; TP2.1@15.368,15.475 19.18,15.475 U3.3@20.424,14.231 ; v1(15.4,5.25) 15.575,5.075 Q11.2@15.575,4 ; C26.1@15.8,35.875 15.801,35.149 v1(15.9,35.05) 16.017,35.05 v1@16.021,35.054 ; R41.1@17.088,35.839 17.088,36.569 v1(17.093,36.575) ; v1(18.275,30.675) 18.275,31 18.5,31.225 C16.1@19.093,31.225 ; R46.1@18.967,35.814 R46.1@18.967,35.814 v1(18.968,36.55) ; Q13.2@19.655,9.855 19.655,10.536 19.894,10.775 19.944,10.725 v1(20.75,10.725) ; C20.1@20.693,31.275 21.35,31.275 21.725,30.9 v1(21.725,30.575) ; J8.2@25.28,34.28 26.197,34.28 v1(27,33.477) ; Q6.2@27.535,6.235 28.051,6.235 28.677,6.86 v1(28.677,7.112) ; U16.5@27.543,1.099 27.543,2.204 v1(27.55,2.212) ; v1(28.493,34.7) 28.493,33.536 Q14.2@28.499,33.531 ; v1(28.893,8.775) 29.068,8.95 R64.1@30.093,8.95 ; R2.1@33.277,20.447 33.277,19.872 33.061,19.657 33.061,19.002 v1(34.128,19.002) ; R83.1@34.755,30.205 34.755,29.631 35.25,29.136 35.961,29.136 v1(37.46,27.638) ; v1(35.343,32.65) 36.634,32.65 U19.5@36.655,32.671 ; v1(35.42,36.277) 35.961,35.736 R81.1@35.961,35.258 ; v1(37.992,27) 38.38,26.612 38.38,26.391 J4.2@38.38,25.555 ; v1(43.79,19.761) 43.769,19.761 43.767,19.764 C22.1@44.546,19.764 ; C22.1@44.571,19.971 44.571,21.235 45.949,22.613 U11.20@46.305,22.613 ; v1(45.043,31.3) 45.205,31.462 U12.4@45.205,32.405 ; U12.2@48.005,32.405 48.005,31.571 v1(48.28,31.295) ; U10.4@49.405,5.605 49.418,5.618 v1(49.418,7.55) ; v1(49.893,13.225) 49.918,13.2 50.268,13.2 50.58,12.888 Q5.2@50.58,12.23 Q5.2@50.53,12.23 ; Q5.2@50.405,12.355 Q5.2@50.53,12.23 ; Q5.2@50.555,11.93 50.53,11.905 Q5.2@50.53,12.23 ; R51.1@53.095,12.227 54.136,12.227 54.9,11.464 v1(54.9,10.475) ; C7.1@53.67,22.708 53.67,23.679 v1(53.74,23.749) ; C6.1@55.067,15.138 v1(56.007,15.138) ; v1(68.834,16.116) 69.295,15.655 C29.1@69.755,15.655 ; v1(71.628,11.989) 71.877,12.238 R84.1@71.877,13.033 ; v1(72.365,1.372) 74.218,1.372 Q3.2@74.229,1.361 ; v1(73.882,34.595) 73.861,34.595 74.218,34.237 U7.5@74.869,34.237 ; C15.1@78.76,34.648 78.76,35.635 78.556,35.839 C17.1@78.2,35.839 78.124,35.839 78.213,35.928 78.213,36.219 v1(79.143,37.15)
  Bottom Layer w0.2: v1(71.653,9.347) 72.415,9.347 72.607,9.539 72.607,10.384 72.382,10.609 U9.2@71.882,10.609
  Bottom Layer w0.25: R37.1@73.393,31.575 73.818,31.575 74.043,31.35
  Bottom Layer w0.254: v1(74.029,29.476) 74.029,31.317 74.05,31.338 74.041,31.347 74.043,31.35
  Bottom Layer w0.3: Q1.2@7.142,22.192 7.142,23.424 v1(7.693,23.975) ; v1(10.318,25.1) 10.318,25.787 10.566,26.035 C11.1@11.151,26.035 ; Q4.2@10.705,14.33 10.705,13.388 11.143,12.95 v1(11.15,12.95) ; v1(11.743,8.775) 13.078,10.109 C13.1@14.91,10.109 ; U5.2@11.905,33.055 13.505,33.055 14.055,33.605 ; 14.056,33.604 v1(14.649,33.604) ; U3.3@20.424,14.231 21.649,14.231 v1(21.92,14.502) ; U2.3@20.424,21.231 21.512,21.231 v1(21.768,20.975) ; v1(22.355,7.955) 24.305,7.955 Q10.2@24.455,8.105 ; v1(25.73,4.089) 25.73,4.984 25.72,4.995 U14.5@25.73,5.005 ; R62.1@28.53,4.305 28.53,5.455 v1@28.55,5.435 ; v1(28.626,5.512) v1@28.55,5.435 ; Q12.2@28.631,10.206 29.273,10.205 29.773,10.705 33.281,10.705 v1(33.521,10.465) ; U18.4@29.43,31.405 29.43,28.907 31.159,27.178 C27.1@32.614,27.178 32.614,26.289 v1(32.6,26.275) ; Q9.2@30.255,5.355 29.748,5.355 29.403,5.7 28.775,5.7 28.55,5.475 v1@28.55,5.435 ; U18.2@35.23,31.405 35.23,30.663 v1(35.618,30.275) ; C28.1@38.298,28.908 v1(39.251,28.908) ; Q8.2@38.655,3.805 38.66,3.8 38.67,3.81 v1(39.878,3.81) ; U13.5@38.815,8.181 39.851,8.181 v1@39.893,8.139 ; v1(39.893,8.175) v1@39.893,8.139 ; v1@39.898,8.129 39.893,8.134 v1@39.893,8.139 ; v1@39.898,8.134 v1@39.893,8.139 ; C31.1@49.505,28.473 50.368,28.473 v1(50.648,28.194) ; v1(51.368,18.725) 52.07,18.725 52.09,18.745 C3.1@52.105,18.73 52.743,18.73 52.892,18.581 U1.51@54.046,18.581 ; C4.1@59.45,27.05 59.45,26.6 59.919,26.131 60.291,26.131 60.496,25.926 U1.70@60.496,25.031 60.496,23.778 60.3,23.581 v1(60.3,23.55) ; v1@60.23,13.475 60.191,13.513 60.191,13.487 v1(60.217,13.462) 60.496,13.183 U1.31@60.496,11.631 C1.1@60.496,9.703 ; v1(61.544,9.347) 61.928,9.731 C2.1@62.522,9.731 62.522,10.256 62.996,10.731 U1.26@62.996,11.631 ; U1.11@67.446,18.081 68.456,18.081 69.05,18.675 C10.1@69.575,18.675 C9.1@70.725,18.675 71.4,18.675 v1(71.625,18.9) ; C12.1@67.843,9.728 68.428,9.728 v1(68.809,9.347) ; C30.1@70.4,19.85 70.4,20.225 70.7,20.525 v1(71.425,20.525) ; v1(72.161,22.454) 72.171,22.444 R75.1@72.171,21.59 ; v1@72.314,8.788 72.365,8.738 v1@72.365,8.7 ; v1@72.365,8.636 72.314,8.687 v1(72.365,8.687) 72.669,8.687 72.9,8.456 L2.1@72.9,7.953 ; v1(72.375,17) R40.2@72.375,16.075 73.073,16.075 73.403,16.405 D11.1@73.975,16.405 ; C14.1@73.431,19.863 73.575,20.006 v1(73.575,20.9) ; v1(80.843,32.642) 81.33,32.155 Q2.2@81.33,31.455
  other v1: 13.768,0.875 10.968,3.325 7.132,4.143 39.878,4.775 11.418,5.825 9.993,6.65 46.374,6.883 39.897,6.934 25.3,9.05 41.843,9.325 44.193,9.325 57.018,9.325 45.925,10.6 42.893,10.625 35.6,10.675 5.293,12.925 42.996,13.259 30.918,13.4 34,13.975 59.715,14.097 24.4,14.175 36.6,14.425 25.425,15 62.1,15.375 5.944,15.672 31.068,16.55 60.05,16.575 6.1,16.7 64.3,16.825 37.525,16.975 12.918,17.975 47.142,18.237 24.793,18.65 63.6,19.625 58.246,19.726 62.768,19.8 11.868,20.35 15.768,20.35 13.693,20.375 77.489,21.59 21.718,21.8 31.362,22.657 82.368,22.675 28.868,23.5 16.318,23.75 21.793,23.75 84.568,23.825 38.811,23.901 80.893,23.925 24.2,24.025 5.518,25.05 74.225,25.25 55.268,25.35 68.425,25.375 16.967,26.289 6.793,26.675 81.693,26.95 25.318,27.925 10.318,28.525 30.981,28.524 6.768,28.825 32.593,29.1 31.286,30.912 84.593,31.5 27,31.675 7.158,33.759 39.893,34.975 84.018,35.825 13.938,36.83 79.993,37.125 39.193,37.15
NetC5_2: C5.2 J1.6 R2.2 U1.30 | length 42.5
  Top Layer w0.2: J1.6@28.007,18.352 30.341,18.352 30.988,18.999 31.42,18.999 31.47,19.049 31.47,20.04 31.877,20.447 R2.2@32.277,20.447 32.277,20.923 32.741,21.387 v1(36.881,21.387) ; v1(60.65,14.125) v1(60.65,17.775)
  Mid-Layer 2 w0.2: v1(36.881,21.387) 51.657,21.387 55.268,17.775 v1(60.65,17.775)
  Bottom Layer w0.2: v1(60.65,14.125) 60.65,14.112 60.996,13.766 U1.30@60.996,11.631
NetC6_2: C6.2 U1.49 Y11.2 | length 8.9
  Top Layer w0.2: C6.2@53.967,15.138 53.594,15.138 53.289,15.443 53.289,16.739 53.531,16.98 56.395,16.98 v1(56.75,16.625)
  Bottom Layer w0.2: U1.49@54.046,17.581 55.794,17.581 v1(56.75,16.625)
NetC7_2: C7.2 U1.50 Y11.1 | length 9.7
  Top Layer w0.2: Y11.1@54.74,20.965 56.1,20.965 v1(56.74,20.324) ; Y11.1@54.77,20.995 C7.2@54.77,22.708
  Bottom Layer w0.2: U1.50@54.046,18.081 56.371,18.081 57.668,19.378 57.668,19.872 57.216,20.324 v1(56.74,20.324)
NetC8_2: C8.2 R5.1 R7.2 U1.21 | length 73.4
  Top Layer w0.2: v1@6.692,15.787 6.68,15.775 6.681,15.773 v1(6.706,15.773) 6.706,16.481 7.55,17.325 9.619,17.325 10.38,18.087 R5.1@10.38,19.355 ; C8.2@9.88,22.93 9.88,22.338 10.38,21.838 10.38,21.213 R7.2@10.39,21.203 10.39,19.467 R5.1@10.441,19.416
  Mid-Layer 2 w0.2: v1(6.706,15.773) 11.16,11.319 13.458,11.319 13.472,11.333 13.948,11.333 13.962,11.319 21.244,11.319 35.728,11.319 51.336,11.319 52.775,9.881 53.486,9.881 54.934,11.328 57.838,11.328 57.842,11.325 65.893,11.325 v1(66.143,11.575)
  Bottom Layer w0.2: U1.21@65.496,11.631 66.088,11.631 v1(66.143,11.575)
NetC9_2: C9.2 C10.2 U1.12 | length 3.3
  Bottom Layer w0.2: U1.12@67.446,17.581 69.569,17.581 C10.2@69.575,17.575 C9.2@70.725,17.575
NetC11_2: C11.2 R27.1 U1.28 | length 67.2
  Top Layer w0.2: v1(13.575,26.95) 13.575,24.768 v1(14.443,23.9) 14.443,13.85 v1(14.831,13.462)
  Mid-Layer 1 w0.2: v1(14.831,13.462) 16.193,12.1 61.192,12.1 v1(62.503,13.411)
  Bottom Layer w0.2: C11.2@12.751,26.035 13.386,26.035 13.575,26.224 v1(13.575,26.95) ; R27.1@13.605,23.905 14.438,23.905 v1(14.443,23.9) ; U1.28@61.996,11.631 61.996,12.904 v1(62.503,13.411)
NetC13_2: C13.2 R35.1 U1.33 | length 60
  Mid-Layer 1 w0.2: v1(23.668,20.375) 37.635,20.375 42.348,15.662 51.699,15.662 53.561,13.8 58.92,13.8 v1(59.461,13.259)
  Bottom Layer w0.2: C13.2@14.91,8.509 14.91,7.95 15.113,7.747 17.399,7.747 17.7,8.048 R35.1@17.7,8.925 19.797,8.925 23.668,12.797 v1(23.668,20.375) ; v1(59.461,13.259) 59.461,13.201 59.496,13.167 U1.33@59.496,11.631
NetC14_2: C14.2 F1.2 L1.1 | length 6.7
  Bottom Layer w0.3: L1.1@70.9,15.2 70.9,16.5 72.65,18.25 C14.2@73.575,18.25 73.612,18.287 F1.2@75.514,18.287 F1.2@75.49,18.263
NetC17_2: C17.2 U7.2 | length 1.9
  Top Layer w0.2: U7.2@76.38,34.23 76.38,34.749 77.1,35.469 C17.2@77.1,35.839
NetC19_1: C19.1 C30.2 J2.2 R8.1 R44.1 U1.9 | length 54
  Top Layer w0.2: v1(65.532,19.355) 65.543,19.366 v1(65.543,22.65)
  Mid-Layer 1 w0.2: v1(65.532,19.355) 68.936,19.355 73.3,14.99 73.3,4.24 74.39,3.15 v1(79.675,3.15)
  Bottom Layer w0.2: v1(65.532,19.355) 65.807,19.08 66.359,19.08 ; v1(65.543,22.65) 67.343,24.45 67.343,26.4 ; J2.2@66.976,27.94 66.976,26.749 67.325,26.4 69.025,26.4 69.45,26.825 69.45,28.525 69.775,28.85 71.794,28.85 72.393,29.449 R8.1@72.393,30.575 ; U1.9@67.455,19.08 66.359,19.08 ; C30.2@69.3,19.85 68.75,19.85 68.575,19.675 68.575,19.3 68.356,19.081 U1.9@67.446,19.081 66.358,19.081 66.359,19.08 ; R44.1@81.367,2.73 R44.1@81.376,2.72
  Bottom Layer w0.3: v1(79.675,3.15) 80.095,2.73 R44.1@81.367,2.73 ; R44.1@81.376,2.72 82.098,2.72 82.193,2.625 C19.1@82.818,2.625